# Altium PCB PCBmain.PcbDoc
Units mm, origin at the board's own origin, x right, y up, seen from the top; angles counter-clockwise.
Board outline 99.06 x 46.99 mm, 2 copper layers (Top Layer, Bottom Layer); 53 components, 50 nets, 271 pads, 397 vias.
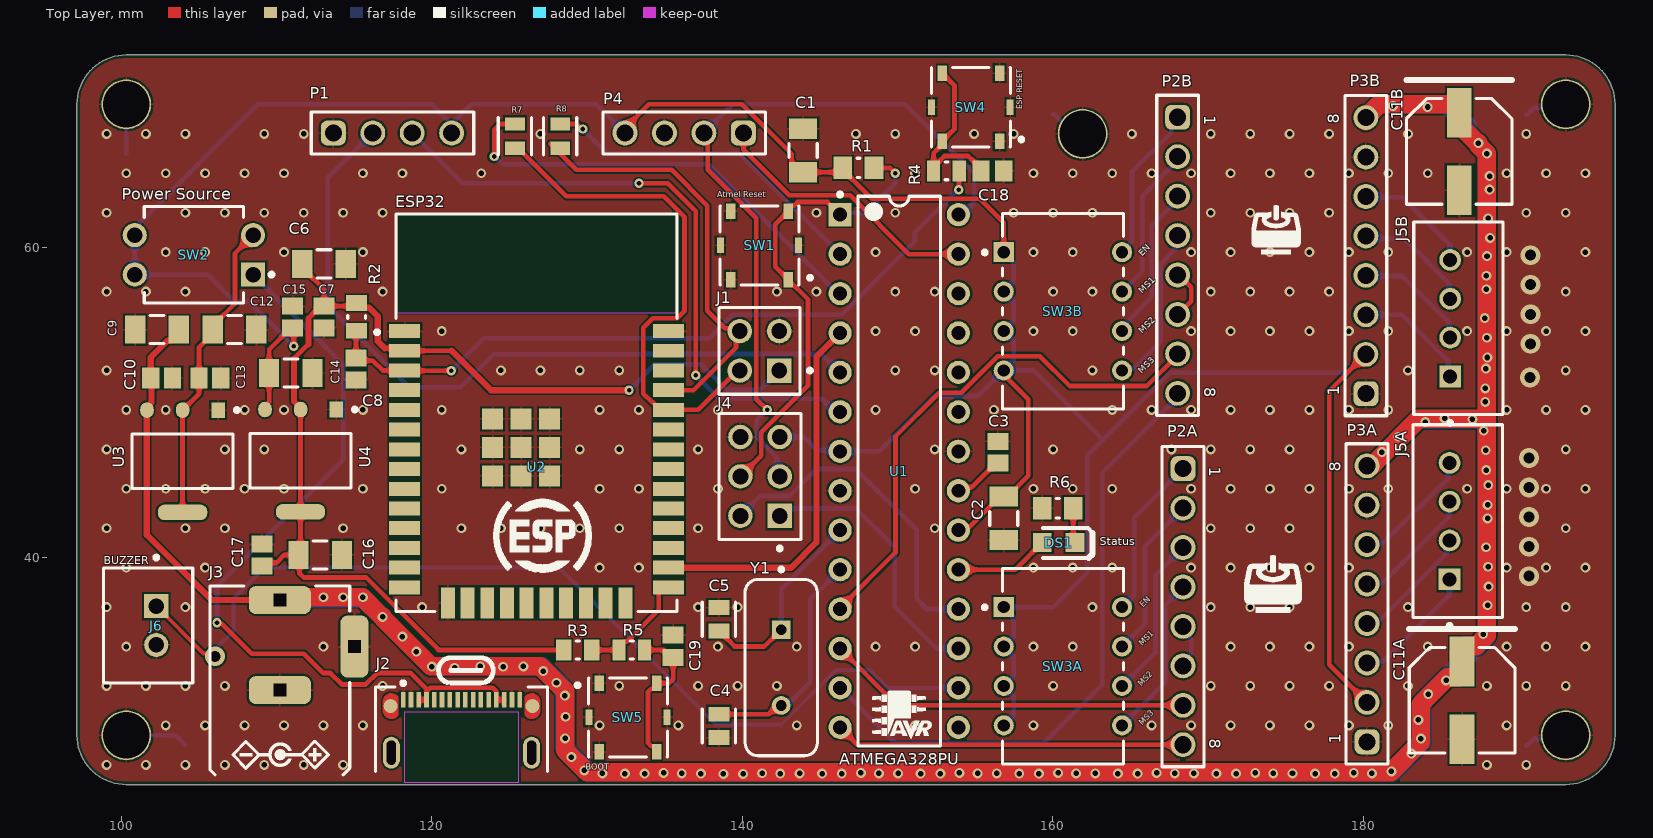
[diagram p0: Top Layer view]
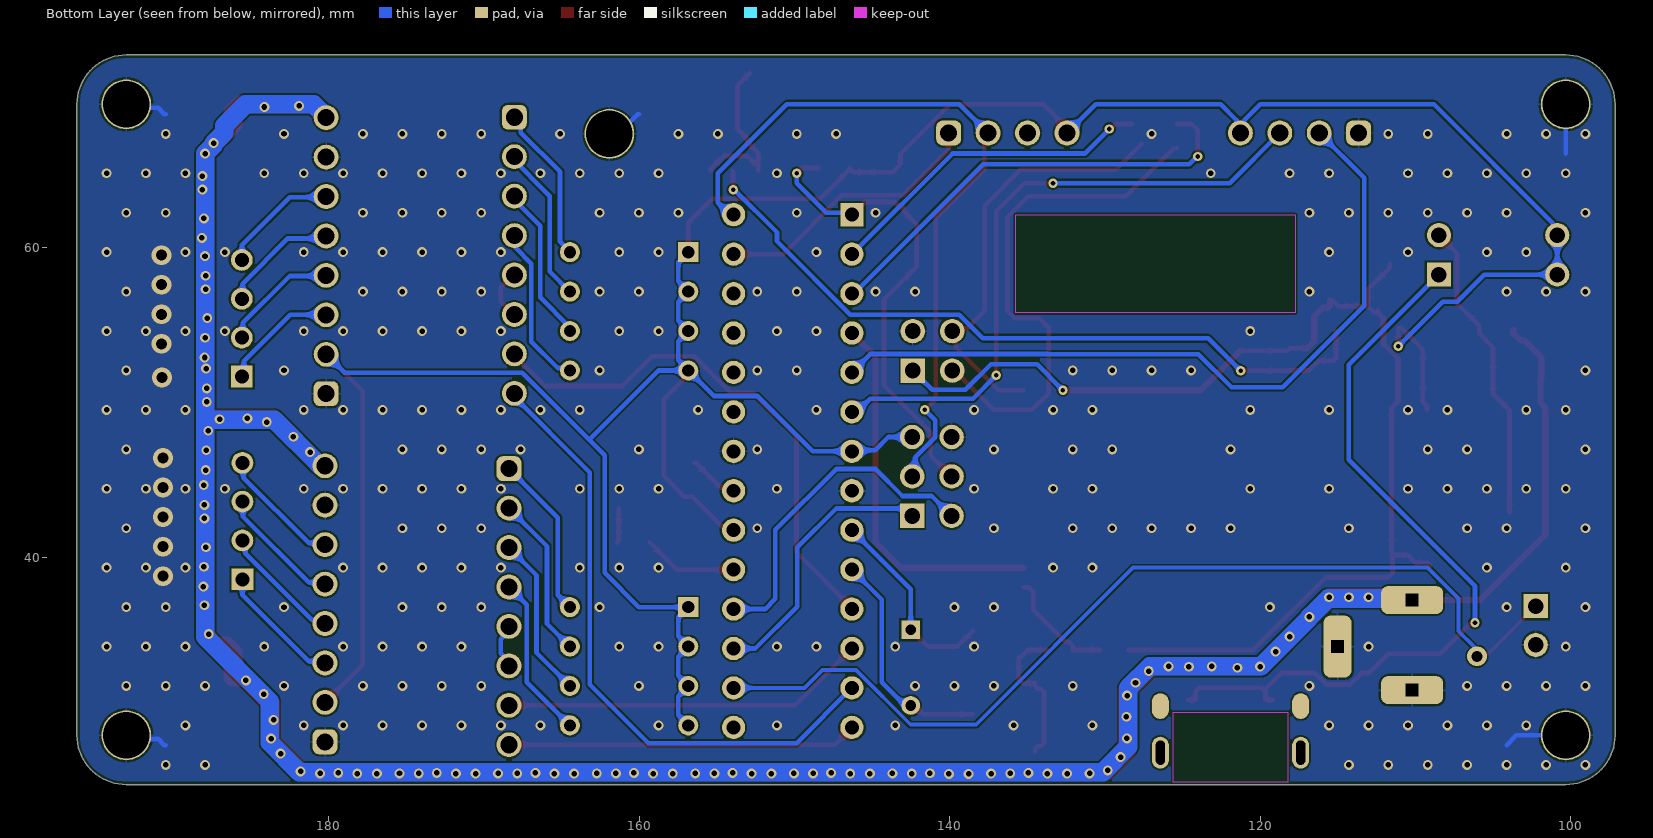
[diagram p1: Bottom Layer view, seen from below]
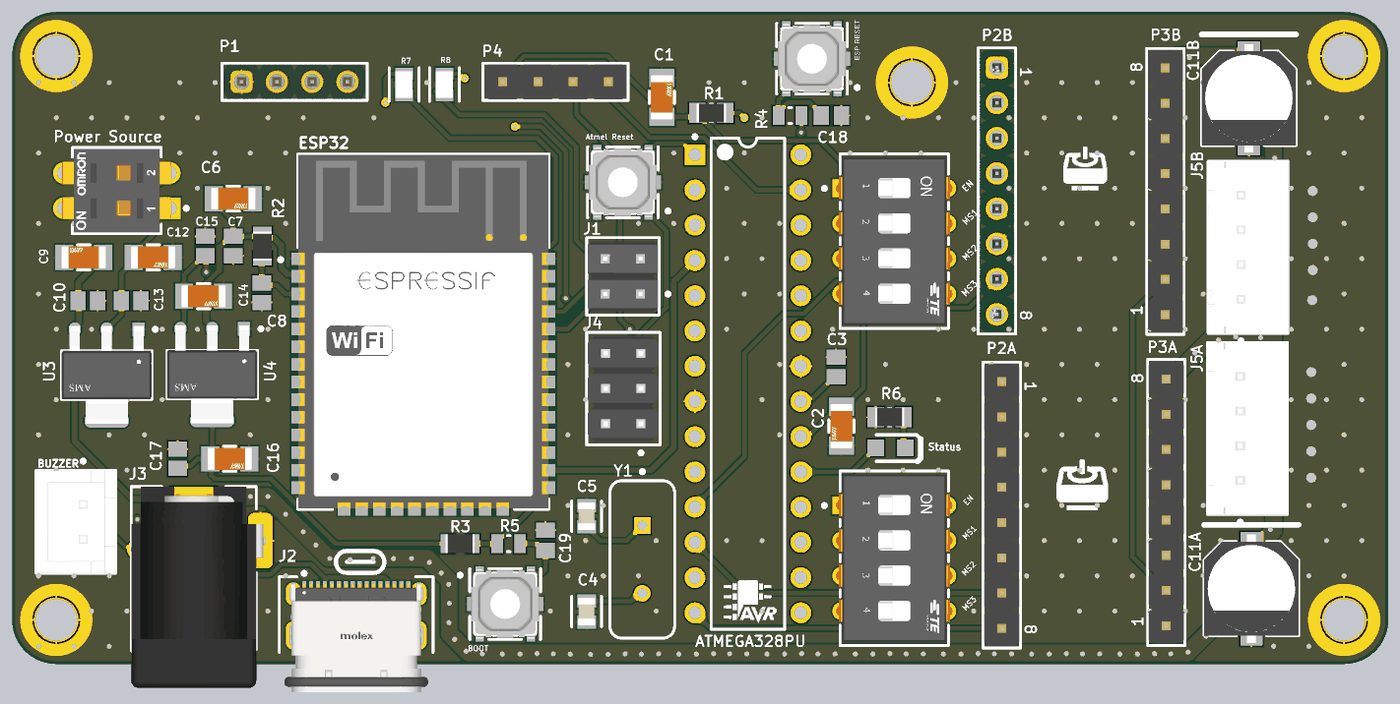
[diagram p2: 3D render of the assembled board from above, using the file's embedded part models]

## Layer stack, top to bottom
Top Solder: solder mask 0.0102, Solder Resist, Dk 3.5
Top Layer: signal copper 0.0356
Dielectric 1: dielectric 0.32, FR-4, Dk 4.8
Bottom Layer: signal copper 0.0356
Bottom Solder: solder mask 0.0102, Solder Resist, Dk 3.5

## Board outline
100.33,25.4 193.04,25.4 ccw(c193.04,28.575) 196.215,28.575 196.215,69.215 ccw(c193.04,69.215) 193.04,72.39 100.33,72.39 ccw(c100.33,69.215) 97.155,69.215 97.155,28.575 ccw(c100.33,28.575)

## Design rules (kind name [scope] priority, off if disabled: settings)
BoardOutlineClearance [All] p1: gap=0.2 ignorepadtopadclearanceinfootprint=FALSE
Clearance [All] p1: gap=0.127 ignorepadtopadclearanceinfootprint=FALSE except(0.25: Arc-Hole Track-Hole SMDPad-Hole THPad-Hole Via-Hole Fill-Hole Poly-Hole Region-Hole Text-Hole)
ComponentClearance [All] p1: gap=0.127 collisioncheckmode=3 verticalgap=0.127 showdistances=TRUE
DiffPairsRouting [All] p1: maxlimit=0.254 minlimit=0.127 mostfreqgap=0.127 toplayer_minwidth=0.127 toplayer_maxwidth=25.4 toplayer_prefwidth=0.127 bottomlayer_minwidth=0.127 bottomlayer_maxwidth=25.4 bottomlayer_prefwidth=0.127 maxuncoupledlength=12.7
Height [All] p1: minheight=0 maxheight=1816.048 prefheight=12.7
HoleSize [All] p1: absolutevalues=TRUE maxlimit=6.3 minlimit=0.3 maxpercent=80.000 minpercent=20.000
HoleToHoleClearance [All] p1: gap=0.25 allowstackedmicrovias=FALSE
MinimumAnnularRing [All] p1: minimumring=0.076
MinimumSolderMaskSliver [All] p1: minsoldermaskwidth=0
PlaneClearance [All] p1: clearance=0.127
PlaneConnect PlaneConnectPowerPads [InPadClass('PowerPads')] p1: planeconnectstyle=Direct reliefexpansion=0.508 reliefentries=4 reliefconductorwidth=0.254 reliefairgap=0.254
PlaneConnect [All] p2: pad.planeconnectstyle=Relief pad.reliefexpansion=0.3 pad.reliefentries=4 pad.reliefconductorwidth=0.127 pad.reliefairgap=0.127 via.planeconnectstyle=Direct via.reliefexpansion=0.3 via.reliefentries=4 via.reliefconductorwidth=0.127 via.reliefairgap=0.127
PolygonConnect PolygonConnectPowerPads [All vs (InPadClass('PowerPads'))] p1: connectstyle=Direct reliefconductorwidth=0.254 reliefentries=4 polygonreliefangle="90 Angle" airgapwidth=0.254
PolygonConnect [All] p2: thpad.connectstyle=Relief thpad.reliefconductorwidth=0.127 thpad.reliefentries=4 thpad.polygonreliefangle="90 Angle" thpad.airgapwidth=0.127 smdpad.connectstyle=Relief smdpad.reliefconductorwidth=0.127 smdpad.reliefentries=4 smdpad.polygonreliefangle="90 Angle" smdpad.airgapwidth=0.127 via.connectstyle=Direct via.reliefconductorwidth=0.127 via.reliefentries=4 via.polygonreliefangle="90 Angle" via.airgapwidth=0.127
RoutingVias [All] p1: holewidth=0.3 width=0.6 viastyle="Through Hole" minholewidth=0.3 minwidth=0.6 maxholewidth=0.6 maxwidth=6.6
SilkToSilkClearance [All] p1: silktosilkclearance=0
SilkToSolderMaskClearance [IsPad] p1: minsilkscreentomaskgap=0.127 clearancetoexposedcopper=TRUE
SolderMaskExpansion [All] p1: expansion=0.075 istentingtop=FALSE
Width [All] p1: maxlimit=25.4 minlimit=0.127 preferedwidth=0.127 minimp=50.000000 maximp=50.000000 favimp=50.000000
20 further rules are at their usual default settings.

## Classes and differential pairs
channel class Stepper_control: Stepper_Alt Stepper_AZ
component class Stepper_AZ: C11B J5B P2B P3B SW3B
component class Stepper_Alt: C11A J5A P2A P3A SW3A
component class Sensors: P1 P4
component class Asynchronous: C6 C7 C8 C18 C19 J1 R2 R3 R4 R5 R7 R8 SW4 SW5 U2
component class Power: C9 C10 C12 C13 C14 C15 C16 C17 J2 J3 SW2 U3 U4
component class Synchronous: C1 C2 C3 C4 C5 DS1 J4 J6 R1 R6 SW1 U1 Y1

## Components (designator, comment, footprint, x,y, rotation, side; value= is the part's Value field where it differs from the comment)
C1 "1206YD106KAT2A" FP-1206-L_3_2_0_2-W_1_6_0-IPC_B 143.928,66.241 r90 top
C2 "1206YD106KAT2A" FP-1206-L_3_2_0_2-W_1_6_0-IPC_B 156.845,42.545 r270 top
C3 "08055F104KAT2A" CAPC2013X140X50LL20T25 156.467,46.808 r270 top value=100nF
C4 "C0805C220K3GACTU" FP-C0805C-DN-MFG 138.502,29.177 r270 top value="22 pF"
C5 "C0805C220K3GACTU" FP-C0805C-DN-MFG 138.502,36.047 r90 top value="22 pF"
C6 "1206YD106KAT2A" FP-1206-L_3_2_0_2-W_1_6_0-IPC_B 113.068,58.938 r0 top
C7 "08055F104KAT2A" CAPC2013X140X50LL20T25 113.068,55.515 r90 top value=100nF
C8 "C0805C105K4PACTU" CAPC2013X145X50LL20T25 115.124,52.161 r90 top
C9 "1206YD106KAT2A" FP-1206-L_3_2_0_2-W_1_6_0-IPC_B 102.304,54.705 r180 top
C10 "08055F104KAT2A" CAPC2013X140X50LL20T25 102.609,51.585 r180 top value=100nF
C11A "EEEFK1E101XP" PNSC-FK-V-D8_V 186.363,30.823 r270 top (schematic designator C11)
C11B "EEEFK1E101XP" PNSC-FK-V-D8_V 186.178,66.175 r270 top (schematic designator C11)
C12 "1206YD106KAT2A" FP-1206-L_3_2_0_2-W_1_6_0-IPC_B 107.306,54.705 r0 top
C13 "08055F104KAT2A" CAPC2013X140X50LL20T25 105.718,51.585 r180 top value=100nF
C14 "1206YD106KAT2A" FP-1206-L_3_2_0_2-W_1_6_0-IPC_B 110.93,51.906 r0 top
C15 "08055F104KAT2A" CAPC2013X140X50LL20T25 111.049,55.515 r270 top value=100nF
C16 "1206YD106KAT2A" FP-1206-L_3_2_0_2-W_1_6_0-IPC_B 112.816,40.189 r0 top
C17 "08055F104KAT2A" CAPC2013X140X50LL20T25 109.061,40.189 r270 top value=100nF
C18 "VJ0805D102KXAAJ" CAPC2013X145X48LL20T23 156.118,64.929 r180 top
C19 "VJ0805D102KXAAJ" CAPC2013X145X48LL20T23 135.55,34.312 r270 top
DS1 "HSMG-C170" AVAG-HSMX-C170_V 160.383,40.989 r0 top
J1 "PEC02DABN" FP-PEC02DABN-MFG 141.115,53.334 r90 top
J2 "213083-0005" FP-2130830005-MFG 121.92,27.305 r0 top
J3 "694106301002" 694106301002 110.223,30.935 r0 top
J4 "M20-9980346" FP-M20-9980346-MFG 141.15,45.244 r90 top
J5A "B4B-XH-A(LF)(SN)" FP-B4B-XH-A_LF_SN-MFG 186.084,42.371 r270 top (schematic designator J5)
J5B "B4B-XH-A(LF)(SN)" FP-B4B-XH-A_LF_SN-MFG 186.124,55.437 r270 top (schematic designator J5)
J6 "B2B-XH-A(LF)(SN)" FP-B2B-XH-A_LF_SN-MFG 101.738,35.641 r270 top
P1 "61300411121" 61300411121 117.478,67.363 r0 top
P2A "61300811121" 61300811121 168.393,36.855 r270 top (schematic designator P2)
P2B "61300811121" 61300811121 168.044,59.487 r270 top (schematic designator P2)
P3A "61300811121" 61300811121 180.238,37.042 r90 top (schematic designator P3)
P3B "61300811121" 61300811121 180.168,59.464 r90 top (schematic designator P3)
P4 "61300411121" 61300411121 136.263,67.363 r180 top
R1 "RC0805FR-071KL" RESC2013X60X35ML10T20 147.487,65.113 r180 top
R2 "RC0805FR-0710KL" RESC2013X60X35NL10T20 115.173,55.515 r90 top
R3 "RC0805FR-0710KL" RESC2013X60X35NL10T20 129.404,34.069 r0 top
R4 "CRCW0805470RFKEA" RESC2013X50X30LL20T20 153.154,64.929 r0 top
R5 "CRCW0805470RFKEA" RESC2013X50X30LL20T20 132.89,34.069 r180 top
R6 "RC0805FR-071KL" RESC2013X60X35ML10T20 160.319,43.196 r0 top
R7 "CR0805-J/-000ELF" FP-CR0805-IPC_C 125.364,67.168 r270 top
R8 "CR0805-J/-000ELF" FP-CR0805-IPC_C 128.27,67.168 r270 top
SW1 "EVQ-PLMA15" FP-EVQ-PLMA15-MFG 141.115,60.12 r180 top
SW2 "A6T-2104" FP-A6T-2104-MFG 104.686,59.515 r180 top
SW3A "1825360-3" FP-1825360-3-MFG 160.655,33.02 r270 top (schematic designator SW3)
SW3B "1825360-3" FP-1825360-3-MFG 160.655,55.88 r270 top (schematic designator SW3)
SW4 "EVQ-PLMA15" FP-EVQ-PLMA15-MFG 154.729,69.024 r180 top
SW5 "EVQ-PLMA15" FP-EVQ-PLMA15-MFG 132.644,29.721 r0 top
U1 "ATmega328P-PU" 28P3 150.114,45.593 r0 top
U2 "ESP32-WROOM-32D" FP-ESP32-WROOM-32D-MFG 126.755,49.35 r0 top
U3 "AMS1117-5.0" FP-AMS1117-IPC_C 103.955,46.225 r270 top
U4 "AMS1117-3.3" FP-AMS1117-IPC_C 111.555,46.26 r270 top
Y1 "FOXSLF/160-20" FOX-FOXSLF160-20 142.513,32.933 r270 top

## Footprints (in the part's own frame and the unit in brackets; to place one, negate y for a bottom-side part, rotate by r counter-clockwise, add the part's x,y. Pads: shape width x height; smd on the part's side, far side on the other; paste and mask are expansions set on the pad)
28P3 [mm] "28-Pin Plastic Dual In-Line Package (PDIP)"
  rect 1.5x1.5 hole 0.9: 1(-3.81,16.51)
  round 1.5 hole 0.9: 2(-3.81,13.97) 3(-3.81,11.43) 4(-3.81,8.89) 5(-3.81,6.35) 6(-3.81,3.81) 7(-3.81,1.27) 8(-3.81,-1.27) 9(-3.81,-3.81) 10(-3.81,-6.35) 11(-3.81,-8.89) 12(-3.81,-11.43) 13(-3.81,-13.97) 14(-3.81,-16.51) 15(3.81,-16.51) 16(3.81,-13.97) 17(3.81,-11.43) 18(3.81,-8.89) 19(3.81,-6.35) 20(3.81,-3.81) 21(3.81,-1.27) 22(3.81,1.27) 23(3.81,3.81) 24(3.81,6.35) 25(3.81,8.89) 26(3.81,11.43) 27(3.81,13.97) 28(3.81,16.51)
  silkscreen extent -3.93,-17.7 2.65,17.93, body extent -3.6,-17.65 3.6,17.65, height 4.58
61300411121 [mm] "Pin Header, pitch 2.54 mm, THT, Vertical, single row, 4p"
  rrect50% 1.6x1.6 hole 1.1: 1(-3.81,0)
  round 1.6 hole 1.1: 2(-1.27,0) 3(1.27,0) 4(3.81,0)
  silkscreen extent -5.23,-1.35 5.23,1.35, body extent -5.08,-1.27 5.08,1.27, height 8.57
61300811121 [mm] "Pin Header, pitch 2.54 mm, THT, Vertical, single row, 8p"
  rrect50% 1.6x1.6 hole 1.1: 1(-8.89,0)
  round 1.6 hole 1.1: 2(-6.35,0) 3(-3.81,0) 4(-1.27,0) 5(1.27,0) 6(3.81,0) 7(6.35,0) 8(8.89,0)
  silkscreen extent -10.31,-1.35 10.31,1.35, body extent -10.16,-1.27 10.16,1.27, height 8.57
694106301002 [mm] "DC Power Jack Right Angled(6.4)"
  rrect50% 4x1.8 hole 0.8 square: 1(0,6.35) 2(0,0.55)
  rrect50% 1.8x4 hole 0.8 square: 3(4.8,3.35)
  silkscreen extent -4.5,-4.9 4.5,7.25, body extent -4.5,-7.25 5,7.25, height 10.75
AVAG-HSMX-C170_V [mm] "SMD, 2-Leads, Body 2x1.25mm, Height 0.8mm"
  rect 1.2x1.2 smd: 1(-1.05,0) 2(1.05,0)
  silkscreen extent 1.94,-0.98 2.18,0.62, body extent -1,-0.63 1,0.63, height 0.8
CAPC2013X140X50LL20T25 [mm] "Chip Capacitor, 2-Leads, Body 2.00x1.25mm, IPC High Density"
  rect 1.1x1.35 smd: 1(-0.7,0) 2(0.7,0)
  body extent -1.1,-0.72 1.1,0.72, height 1.4
CAPC2013X145X48LL20T23 [mm] "Chip Capacitor, 2-Leads, Body 2.00x1.25mm, IPC High Density"
  rect 1.1x1.35 smd: 1(-0.725,0) 2(0.725,0)
  body extent -1.1,-0.72 1.1,0.72, height 1.45
CAPC2013X145X50LL20T25 [mm] "Chip Capacitor, 2-Leads, Body 2.00x1.25mm, IPC High Density"
  rect 1.1x1.35 smd: 1(-0.7,0) 2(0.7,0)
  body extent -1.1,-0.72 1.1,0.72, height 1.45
FOX-FOXSLF160-20 [mm] "THD, 2-Leads, Body 11.35x4.65mm"
  rect 1.2x1.2 hole 0.7: 1(-2.44,0)
  round 1.2 hole 0.7: 2(2.44,0)
  silkscreen extent -6.45,-2.32 5.68,2.32, body extent -5.67,-2.32 5.68,2.33, height 3.6
FP-1206-L_3_2_0_2-W_1_6_0-IPC_B [mm]
  rect 1.305x1.806 smd paste+0 mask+0: 1(-1.401,0) 2(1.401,0)
  silkscreen extent -0.45,-0.9 0.45,0.9, body extent -2.3,-1.15 2.3,1.15, height 0.25
FP-1825360-3-MFG [mm]
  rect 1.29x1.29 hole 0.79 paste-2539.97 mask+0: 1(-3.81,-3.81)
  round 1.29 hole 0.79 paste-2539.97 mask+0: 2(-1.27,-3.81) 3(1.27,-3.81) 4(3.81,-3.81) 5(3.81,3.81) 6(1.27,3.81) 7(-1.27,3.81) 8(-3.81,3.81)
  silkscreen extent -6.29,-5.16 6.29,3.9, body extent -6.4,-4.55 6.4,4.55, height 0.25
FP-2130830005-MFG [mm]
  round 0.9 smd paste-1000 mask+0: 1(-4.57,3.15) 2(4.57,3.15)
  rrect100% 1.1x1.65 smd far side paste-1000 mask+0: 1(-4.52,3.15) 2(4.52,3.15)
  rrect100% 1.1x2.05 hole 1.55 slot 0.6 at 0 deg paste-2539.97 mask+0: 3(-4.52,0.15) 4(4.52,0.15)
  rect 0.3x1 smd paste+0 mask+0: A1(-3.75,3.55) A4(-2.75,3.55) A5(-1.75,3.55) A6(-0.75,3.55) A7(0.75,3.55) A8(1.75,3.55) A9(2.75,3.55) A12(3.75,3.55) B1(3.25,3.55) B4(2.25,3.55) B5(1.25,3.55) B6(0.25,3.55) B7(-0.25,3.55) B8(-1.25,3.55) B9(-2.25,3.55) B12(-3.25,3.55)
  Top Layer region: -5.07,3.425 -5.001,3.691 -4.812,3.891 -4.549,3.974 -4.28,3.919 -4.07,3.741 -4.07,3.741 -4.07,2.559 -4.28,2.381 -4.549,2.326 -4.812,2.409 -5.001,2.609 -5.07,2.875 -5.07,2.875
  Top Layer region: 5.07,3.425 5.001,3.691 4.812,3.891 4.549,3.974 4.28,3.919 4.07,3.741 4.07,3.741 4.07,2.559 4.28,2.381 4.549,2.326 4.812,2.409 5.001,2.609 5.07,2.875 5.07,2.875
  Keep-Out Layer region: -3.7,-1.745 3.7,-1.745 3.7,2.755 -3.7,2.755
  silkscreen extent -5.53,-1.07 5.53,4.75, body extent -5.33,-4.18 5.33,4.18, height 0.25
FP-A6T-2104-MFG [mm]
  rect 1.55x1.55 hole 1 paste-2539.97 mask+0: 1(-3.81,1.27)
  round 1.55 hole 1 paste-2539.97 mask+0: 2(-3.81,-1.27) 3(3.81,-1.27) 4(3.81,1.27)
  silkscreen extent -5.13,-3.11 3.2,3.11, body extent -4.68,-3.21 4.68,3.21, height 0.25
FP-AMS1117-IPC_C [mm]
  rect 1.004x0.872 smd paste+0 mask+0: 1(-3.295,2.29)
  rrect100% 1.004x0.872 smd paste+0 mask+0: 2(-3.295,0) 3(-3.295,-2.29)
  rrect87% 1.004x3.182 smd paste+0 mask+0: 4(3.295,0)
  silkscreen extent -3.42,-3.25 1.75,3.63, body extent -3.9,-3.35 3.9,3.35, height 0.25
FP-B2B-XH-A_LF_SN-MFG [mm]
  rect 1.55x1.55 hole 1 paste-2539.97 mask+0: 1(-1.25,0.525)
  round 1.55 hole 1 paste-2539.97 mask+0: 2(1.25,0.525)
  silkscreen extent -4.5,-2.88 3.7,2.88, body extent -3.8,-2.98 3.8,2.98, height 0.25
FP-B4B-XH-A_LF_SN-MFG [mm]
  rect 1.4x1.4 hole 0.9 paste-2539.97 mask+0: 1(3.75,-0.525)
  round 1.4 hole 0.9 paste-2539.97 mask+0: 2(1.25,-0.525) 3(-1.25,-0.525) 4(-3.75,-0.525)
  silkscreen extent -6.2,-2.88 6.87,2.88, body extent -6.3,-2.98 6.3,2.98, height 0.25
FP-C0805C-DN-MFG [mm]
  rect 0.95x1.35 smd paste+0 mask+0: 1(-0.75,0) 2(0.75,0)
  silkscreen extent -1.1,-1.07 1.1,1.07, body extent -1.4,-0.85 1.4,0.85, height 0.25
FP-CR0805-IPC_C [mm]
  rect 0.858x1.262 smd paste+0 mask+0: 1(-0.777,0) 2(0.777,0)
  silkscreen extent -1.21,-1.07 1.21,1.07, body extent -1.31,-0.77 1.31,0.77, height 0.25
FP-ESP32-WROOM-32D-MFG [mm]
  rect 2x0.9 smd paste+0 mask+0: 1(-8.5,5.26) 2(-8.5,3.99) 3(-8.5,2.72) 4(-8.5,1.45) 5(-8.5,0.18) 6(-8.5,-1.09) 7(-8.5,-2.36) 8(-8.5,-3.63) 9(-8.5,-4.9) 10(-8.5,-6.17) 11(-8.5,-7.44) 12(-8.5,-8.71) 13(-8.5,-9.98) 14(-8.5,-11.25) 25(8.5,-11.25) 26(8.5,-9.98) 27(8.5,-8.71) 28(8.5,-7.44) 29(8.5,-6.17) 30(8.5,-4.9) 31(8.5,-3.63) 32(8.5,-2.36) 33(8.5,-1.09) 34(8.5,0.18) 35(8.5,1.45) 36(8.5,2.72) 37(8.5,3.99) 38(8.5,5.26)
  rect 0.9x2 smd paste+0 mask+0: 15(-5.715,-12.25) 16(-4.445,-12.25) 17(-3.175,-12.25) 18(-1.905,-12.25) 19(-0.635,-12.25) 20(0.635,-12.25) 21(1.905,-12.25) 22(3.175,-12.25) 23(4.445,-12.25) 24(5.715,-12.25)
  rect 1.33x1.33 smd paste+0 mask+0: 39(-2.835,-4.075) 39(-2.835,-2.24) 39(-2.835,-0.405) 39(-1,-4.075) 39(-1,-2.24) 39(-1,-0.405) 39(0.835,-4.075) 39(0.835,-2.24) 39(0.835,-0.405)
  Keep-Out Layer region: -9,6.45 9,6.45 9,12.75 -9,12.75
  Keep-Out Layer region: -9,6.45 9,6.45 9,12.75 -9,12.75
  silkscreen extent -10.4,-12.8 9.05,12.8, body extent -9.6,-13.35 9.6,12.9, height 0.25
FP-EVQ-PLMA15-MFG [mm]
  rect 0.45x1 smd paste+0 mask+0: 1(-2.525,0) 2(2.525,0)
  rect 0.6x1 smd paste+0 mask+0: A(-1.85,2.2) A'(-1.85,-2.2) B(1.85,2.2) B'(1.85,-2.2)
  silkscreen extent -3.38,-2.55 2.55,2.55, body extent -2.85,-2.8 2.85,2.8, height 0.25
FP-M20-9980346-MFG [mm]
  rect 1.57x1.57 hole 1.02 paste-2539.97 mask+0: 1(-2.54,-1.27)
  round 1.57 hole 1.02 paste-2539.97 mask+0: 2(-2.54,1.27) 3(0,-1.27) 4(0,1.27) 5(2.54,-1.27) 6(2.54,1.27)
  silkscreen extent -4.76,-2.64 4.06,2.64, body extent -4.16,-2.74 4.16,2.74, height 0.25
FP-PEC02DABN-MFG [mm]
  rect 1.57x1.57 hole 1.02 paste-2539.97 mask+0: 1(-1.27,-1.27)
  round 1.57 hole 1.02 paste-2539.97 mask+0: 2(-1.27,1.27) 3(1.27,-1.27) 4(1.27,1.27)
  silkscreen extent -2.8,-3.37 2.8,2.61, body extent -2.9,-2.71 2.9,2.71, height 0.25
PNSC-FK-V-D8_V [mm] "CAPAE, 2-Leads, Body 6.80x6.80mm"
  rect 3.2x1.6 smd: 1(-2.5,0) 2(2.5,0)
  silkscreen extent -4.6,-3.4 3.4,3.4, body extent -3.9,-3.4 3.9,3.4, height 8
RESC2013X50X30LL20T20 [mm] "Chip Resistor, 2-Leads, Body 2.00x1.25mm, IPC High Density"
  rect 0.85x1.35 smd: 1(-0.825,0) 2(0.825,0)
  silkscreen extent -0.1,-0.58 0.1,0.58, body extent -1.1,-0.72 1.1,0.72, height 0.5
RESC2013X60X35ML10T20 [mm] "Chip Resistor, 2-Leads, Body 2.1x1.35mm, IPC Low Density"
  rect 1.2x1.45 smd: 1(-1,0) 2(1,0)
  silkscreen extent -0.1,-0.63 0.1,0.63, body extent -1.05,-0.68 1.05,0.67, height 0.6
RESC2013X60X35NL10T20 [mm] "Chip Resistor, 2-Leads, Body 2.1x1.35mm, IPC Medium Density"
  rect 1x1.35 smd: 1(-0.9,0) 2(0.9,0)
  silkscreen extent -0.1,-0.58 0.1,0.58, body extent -1.05,-0.68 1.05,0.67, height 0.6
